# KiCad board lagom.kicad_pcb (continued)
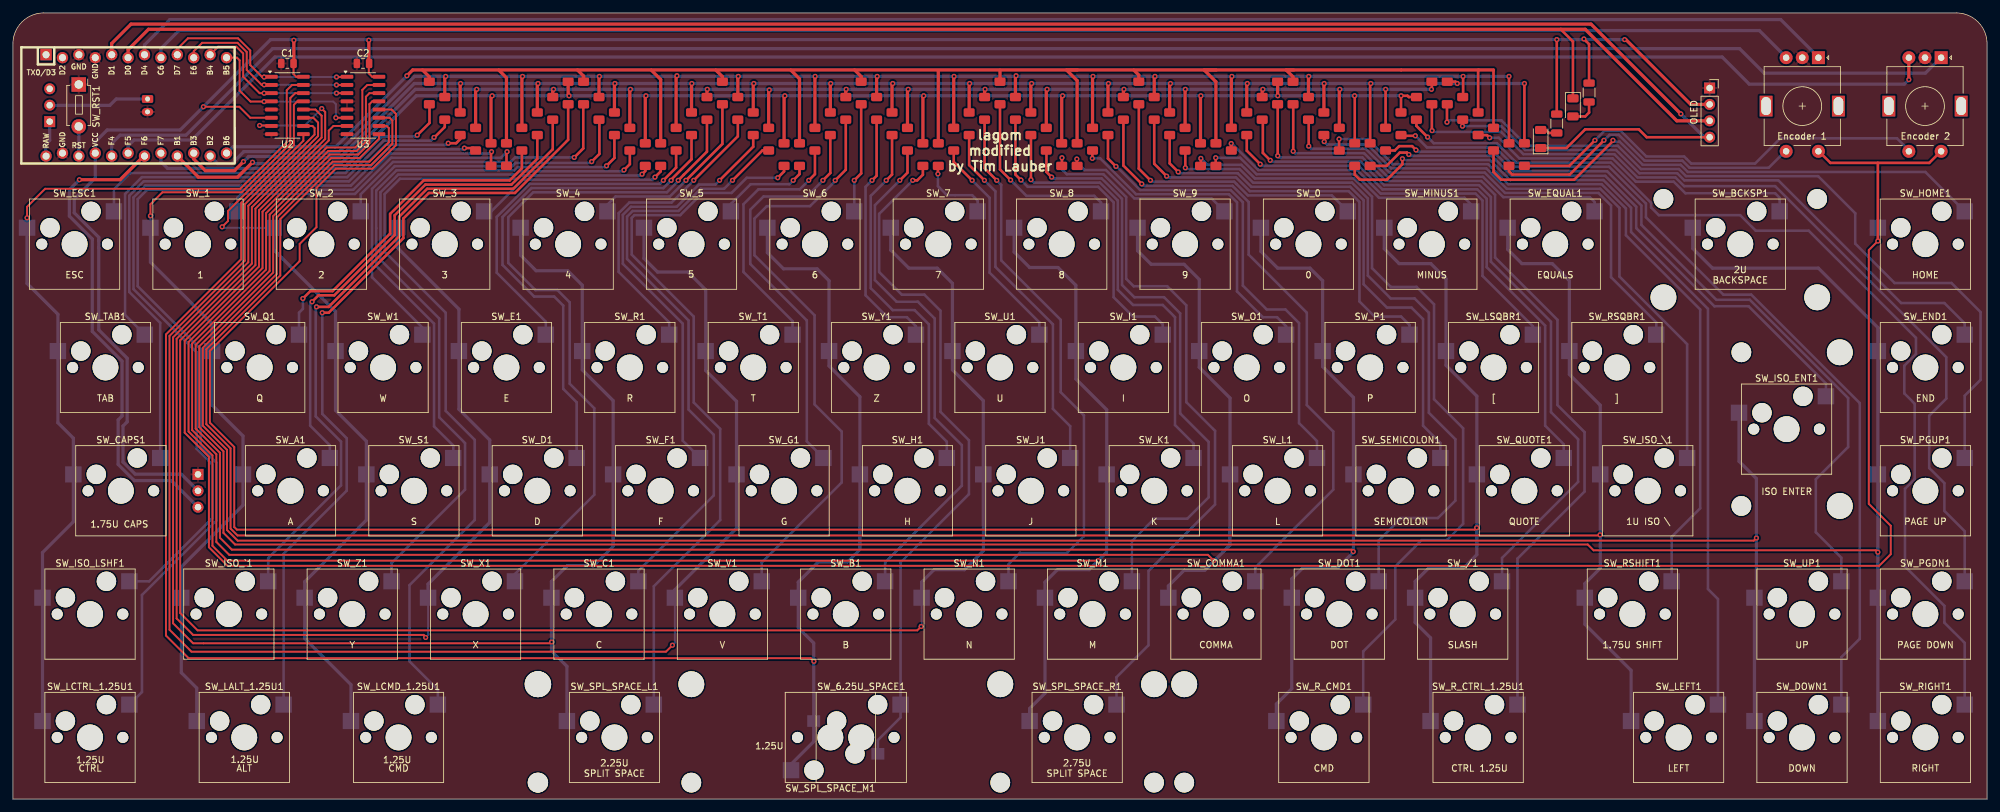
[diagram p0: board, top side]
## Routing (per net, layer and track width the routed paths; a pad name or vN(x,y) marks a point on that pad's centre or on a via; arc(x,y) is an arc through that point)
/Vbat: length 5.6
  Bottom w0.5: SW_PW1.1 5.69,102.03 5.09,101.43 5.09,99.63 U1.24
GND: length 0.3
  Bottom w0.381: 276.95,114.66 276.95,114.94
VCC: length 372.6
  Top w0.3: U2.16 43.85,111.88 43.44,112.28 C1.1 ; 55.09,114.06 55.09,112.41 55.62,111.88 U3.16 ; U2.6 40.01,105.53 36.74,105.53 35.04,107.23 v1(29.49,107.23)
  Top w0.4: R2.1 243.99,116.93 v1(243.19,117.73) ; R1.1 v1(238.99,117.63)
  Top w0.5: v1(249.49,117.63) 249.69,117.63 259.73,107.59 J1.2 ; v1(55.09,117.53) 55.09,113.93 ; v1(43.49,117.53) 43.49,113.93
  Bottom w0.5: v1(249.49,117.63) 39.89,117.63 25.89,103.63 14.59,103.63 12.75,101.79 U1.21 12.75,96.19 9.49,92.93 9.49,90.8 13.29,87 13.29,86.52 13.28,86.51 13.28,85.39 13.29,85.38 13.29,72.68 17.69,68.28 17.69,58.43 17.04,57.78 17.04,52.21 18.92,50.33 26.07,50.33 J2.2
/rst: length 4.6
  Bottom w0.5: U1.22 10.21,104.16 SW_RST1.2
col0: length 139.9
  Top w0.3: v1(2.19,90.03) 2.19,91.73 4.99,94.53 35.19,94.53 42.39,101.73 42.39,109.78 43.21,110.61 44.96,110.61
  Bottom w0.3: v1(2.19,90.03) SW_ESC1.2
  Bottom w0.5: SW_LCTRL_1.25U1.2 SW_ISO_LSHF1.2 4.58,38.18 9.35,42.95 SW_CAPS1.2 9.35,55.9 6.97,58.28 SW_TAB1.2 6.97,75.09 2.19,79.86 SW_ESC1.2
col1: length 126
  Top w0.3: 41.99,100.55 35.42,93.98 23.14,93.98 21.29,92.13 v1(21.29,90.33) ; U2.14 43.7,109.34 42.94,108.58 42.94,101.5 41.88,100.44
  Bottom w0.3: v1(21.29,90.33) SW_1.2
  Bottom w0.5: SW_LALT_1.25U1.2 28.45,17.2 26.07,19.59 26.07,35.97 35.62,45.52 SW_A1.2 35.62,56.23 30.84,61.01 SW_Q1.2 30.84,73.61 21.29,83.16 SW_1.2
col2: length 122.5
  Top w0.3: v1(32.39,88.63) 33.29,89.53 33.29,91.07 43.49,101.27 43.49,107.53 44.02,108.06 U2.13
  Bottom w0.3: v1(32.39,88.63) 32.53,88.49 SW_2.2
  Bottom w0.5: SW_2.2 40.39,85.06 49.94,75.51 SW_W1.2 49.94,60.21 54.71,55.44 SW_S1.2 54.71,43.22 45.16,33.67 SW_Z1.2 45.16,24.88 52.33,17.72 SW_LCMD_1.25U1.2
col3: length 203.7
  Top w0.3: v1(63.89,25.03) 63.89,25.13 63.59,25.43 27.89,25.43 25.34,27.98 25.34,71.28 36.99,82.93 36.99,91.66 47.79,102.46 47.79,105.83 46.82,106.8 U2.12
  Bottom w0.3: v1(63.89,25.03) 64.27,25.41 64.27,31.19
  Bottom w0.5: SW_3.2 59.49,85.43 69.04,75.88 SW_E1.2 69.04,60.38 73.81,55.61 SW_D1.2 73.81,42.86 64.27,33.31 64.27,31.19
col4: length 242
  Top w0.3: U2.11 46.49,105.53 47.24,104.78 47.24,102.69 36.44,91.89 36.44,83.16 24.79,71.51 24.79,27.23 27.89,24.13 83.19,24.13 v1(83.39,24.33)
  Bottom w0.5: SW_4.2 78.59,84.23 80.99,81.83 85.89,81.83 88.14,79.58 SW_R1.2 88.14,66.48 92.92,61.7 SW_F1.2 92.92,39.16 89.89,36.13 85.79,36.13 83.37,33.7 SW_C1.2 83.37,22.96 85.76,20.56 SW_SPL_SPACE_L1.2
col5: length 246
  Top w0.3: U2.10 46.37,104.25 46.69,103.93 46.69,102.92 35.89,92.12 35.89,83.39 24.24,71.74 24.24,26.23 27.64,22.83 101.09,22.83 v1(102.09,23.83)
  Bottom w0.3: SW_V1.2 102.47,24.21 v1(102.09,23.83)
  Bottom w0.5: SW_5.2 97.69,83.73 99.79,81.63 104.49,81.63 107.24,78.88 SW_T1.2 107.24,66.38 112.02,61.61 SW_G1.2 112.02,41.95 102.47,32.41 SW_V1.2
col6: length 290.5
  Top w0.3: v1(123.99,21.33) 123.49,21.83 27.19,21.83 23.69,25.33 23.69,71.96 35.34,83.61 35.34,92.35 44.96,101.97 U2.9
  Bottom w0.5: SW_SPL_SPACE_M1.1 120.45,5.39 123.96,8.9 SW_6.25U_SPACE1.2 123.96,24.16 121.56,26.56 SW_B1.2 121.56,33.61 124.69,36.73 129.19,36.73 131.12,38.66 SW_H1.2 131.12,62.31 126.34,67.08 SW_Y1.2 126.34,80.28 124.49,82.13 119.29,82.13 116.79,84.63 SW_6.2
col7: length 293.3
  Top w0.3: v1(140.59,26.73) 139.99,26.13 28.59,26.13 25.89,28.83 25.89,71.05 37.54,82.7 37.54,91.44 48.34,102.24 48.34,106.41 v1(47.81,106.95) ; U2.7 39.94,104.33 v1(38.19,104.33)
  Bottom w0.3: v1(38.19,104.33) 45.19,104.33 v1(47.81,106.95) ; 140.67,31.19 140.67,26.81 v1(140.59,26.73)
  Bottom w0.5: SW_7.2 135.89,85.03 138.69,82.23 143.09,82.23 145.44,79.88 SW_U1.2 145.44,66.48 150.22,61.7 SW_J1.2 150.22,38.45 147.29,35.53 142.59,35.53 140.67,33.61 140.67,31.19
col8: length 319.5
  Top w0.3: v1(167.99,36.93) 33.19,36.93 30.89,39.23 30.89,53.23 27.19,56.93 27.19,70.8 38.64,82.25 38.64,90.98 48.59,100.93 52.99,100.93 54.09,102.03 54.09,109.83 54.87,110.61 56.66,110.61
  Bottom w0.5: SW_8.2 154.99,84.73 157.39,82.33 161.79,82.33 164.54,79.58 SW_I1.2 164.54,65.08 169.31,60.31 SW_K1.2 169.31,38.25 166.59,35.53 161.69,35.53 159.77,33.61 SW_M1.2 159.77,16.41 157.38,14.02 SW_SPL_SPACE_R1.2
col9: length 314.1
  Top w0.3: v1(185.89,36.93) 184.99,37.83 33.49,37.83 31.49,39.83 31.49,53.41 27.74,57.16 27.74,70.57 39.19,82.02 39.19,90.75 48.82,100.38 53.22,100.38 54.64,101.8 54.64,108.78 55.2,109.34 U3.14
  Bottom w0.5: SW_COMMA1.2 178.87,33 181.29,35.43 184.49,35.43 188.39,39.33 188.39,50.27 SW_L1.2 188.42,62.11 183.64,66.88 SW_O1.2 183.64,80.48 181.29,82.83 176.19,82.83 174.09,84.93 SW_9.2
col10: length 353.8
  Top w0.3: v1(207.49,38.33) 207.19,38.63 33.89,38.63 32.04,40.48 32.04,53.64 28.29,57.39 28.29,70.34 39.74,81.79 39.74,90.52 49.05,99.83 53.45,99.83 55.19,101.57 55.19,107.63 55.63,108.06 U3.13
  Bottom w0.5: SW_0.2 193.19,84.83 195.79,82.23 200.79,82.23 202.74,80.28 SW_P1.2 202.74,66.98 207.51,62.2 207.51,38.25 205.09,35.83 199.69,35.83 197.97,34.11 SW_DOT1.2 197.97,17.1 195.58,14.72 SW_R_CMD1.2
col11: length 369.6
  Top w0.3: v1(226.59,42.03) 226.29,41.73 34.67,41.73 34.26,42.14 34.26,54.52 30.49,58.3 30.49,69.43 44.39,83.33 44.39,85.98 46.99,88.58 46.99,94.65 49.97,97.63 55.65,97.63 59.29,101.27 59.29,106.13 58.63,106.8 U3.12
  Bottom w0.5: SW_R_CTRL_1.25U1.2 219.45,24.97 217.06,27.35 SW_/1.2 217.06,33.7 219.09,35.73 224.49,35.73 226.62,37.86 SW_QUOTE1.2 226.62,62.41 221.84,67.18 SW_LSQBR1.2 221.84,80.58 219.49,82.93 214.59,82.93 212.29,85.23 SW_MINUS1.2
col12: length 383.8
  Top w0.3: v1(245.69,40.93) 245.59,40.83 34.77,40.83 33.69,41.91 33.69,54.32 29.94,58.07 29.94,69.66 41.39,81.11 41.39,89.83 49.74,98.18 55.42,98.18 58.74,101.5 58.74,105.08 58.3,105.53 U3.11
  Bottom w0.5: SW_LEFT1.2 250.49,19.93 243.33,27.09 SW_RSHIFT1.2 243.33,33.37 245.72,35.75 SW_ISO_\1.2 245.72,61 240.94,65.78 SW_RSQBR1.2 240.94,80.28 238.29,82.93 233.59,82.93 231.39,85.13 SW_EQUAL1.2
col13: length 367.3
  Top w0.3: v1(269.89,40.43) 269.49,40.03 34.79,40.03 33.14,41.68 33.14,54.09 29.39,57.84 29.39,69.89 40.84,81.34 40.84,90.07 49.5,98.73 55.19,98.73 58.19,101.73 58.19,103.93 57.87,104.25 U3.10
  Bottom w0.5: SW_ISO_ENT1.2 267.2,52.32 269.89,49.63 269.89,31.49 SW_UP1.2 SW_DOWN1.2
col14: length 432.6
  Top w0.3: U3.9 56.66,102.27 53.67,99.28 49.27,99.28 40.29,90.3 40.29,81.56 28.84,70.11 28.84,57.61 32.59,53.86 32.59,41.23 34.39,39.43 243.79,39.43 244.69,38.53 288.39,38.53 v1(288.69,38.23)
  Bottom w0.5: SW_RIGHT1.2 SW_PGDN1.2 SW_PGUP1.2 SW_END1.2 288.69,73.03 279.49,82.23 263.09,82.23 260.04,85.28 SW_BCKSP1.2
encA: length 264.6
  Bottom w0.5: 279.45,114.94 273.66,120.73 24.29,120.73 20.37,116.81 U1.7
encB: length 255.8
  Bottom w0.5: 274.45,114.94 270.36,119.03 25.69,119.03 22.91,116.25 U1.8
encC: length 293.9
  Bottom w0.5: 298.55,114.94 296.04,112.43 271.09,112.43 267.29,116.23 40.19,116.23 26.79,102.83 16.59,102.83 15.29,101.53 U1.20
encD: length 288
  Top w0.5: 293.55,114.94 293.49,114.88 v1(293.49,111.43)
  Bottom w0.5: v1(293.49,111.43) 292.79,110.73 268.79,110.73 264.59,114.93 40.55,114.93 27.7,102.08 18.74,102.08 17.83,101.17 U1.19
LED: length 75.1
  Top w0.5: U1.18 20.25,99.59 16.59,95.93 v1(10.29,95.93)
  Bottom w0.5: v1(10.29,95.93) 8.74,94.38 8.74,90.3 12.29,86.75 12.29,72.43 16.89,67.83 16.89,59.33 16.29,58.73 16.29,51.83 18.79,49.33 24.53,49.33 J2.3
mux0: length 32.8
  Top w0.3: U2.1 40.02,111.89 ; U1.9 25.45,116.19 27.09,117.83 34.85,117.83 36.74,115.94 36.74,113.68 38.59,111.83 39.99,111.83 ; 51.71,111.88 51.67,111.83 v1(50.09,111.83)
  Bottom w0.3: v1(38.89,111.83) v1(50.09,111.83)
mux1: length 30.7
  Top w0.3: U1.10 27.99,115.83 29.29,117.13 34.77,117.13 36.19,115.71 36.19,112.93 38.52,110.61 40.02,110.61 ; v1(50.09,110.61) 51.71,110.61
  Bottom w0.3: v1(38.89,110.63) 50.07,110.63 v1(50.09,110.61)
mux2: length 27.9
  Top w0.3: v1(50.09,109.34) 51.71,109.34 ; U1.11 31.77,116.53 34.59,116.53 35.64,115.48 35.64,111.88 38.18,109.34 U2.3
  Bottom w0.3: v1(38.89,109.33) 50.09,109.33 v1(50.09,109.34)
mux3: length 27.6
  Top w0.3: v1(49.99,105.53) 51.71,105.53 ; U1.12 34.69,114.83 35.09,114.43 35.09,109.73 36.79,108.03 39.98,108.03 U2.4
  Bottom w0.3: v1(49.99,105.53) 49.99,107.63 49.59,108.03 v1(38.89,108.03)
RotA: length 49.7
  Top w0.4: v1(246.29,102.03) 240.99,96.73 232.09,96.73 231.59,97.23 D32.1
  Bottom w0.4: v1(246.29,102.03) 247.14,102.88 248.57,102.88 252.57,98.88 258.44,98.88 259.54,97.78 271.79,97.78 274.45,100.44
RotB: length 426.4
  Top w0.254: 279.45,100.44 279.45,100.39 ; 298.59,100.4 arc(298.58,100.43) 298.55,100.44
  Top w0.3: v1(288.69,86.43) 287.29,85.03 287.29,45.73 290.69,42.33 290.69,37.93 288.89,36.13 33.21,36.13 30.34,39 30.34,53 26.59,56.75 26.59,70.97 38.09,82.47 38.09,83.83 ; 38.09,83.63 38.09,91.21 48.89,102.01 48.89,103.53 49.62,104.25 51.71,104.25
  Top w0.4: v1(288.69,86.43) 288.69,98.53 ; 288.69,98.53 296.64,98.53 298.55,100.44 ; 288.69,98.53 281.36,98.53 279.45,100.44
  Bottom w0.3: v1(288.69,86.43) SW_HOME1.2
RotC: length 66.3
  Top w0.4: v1(244.89,102.03) 240.93,98.07 D48.1
  Bottom w0.4: v1(244.89,102.03) 246.39,103.53 248.84,103.53 252.84,99.53 258.71,99.53 259.81,98.43 269.69,98.43 273.59,102.33 291.66,102.33 293.55,100.44
row0: length 308.1
  Top w0.4: D16.2 229.2,112.92 229.19,112.93 ; 226.89,112.93 226.81,112.85 D15.2
  Top w0.5: D10.2 164.74,111.28 163.09,112.93 164.79,112.93 ; 87.39,112.93 88.34,111.98 D3.2 ; 173.49,112.93 174.29,112.13 D11.2 ; v1(60.99,112.03) 61.89,112.93 229.19,112.93 ; D8.2 143.25,112.77 ; D12.2 186.23,111.09 184.39,112.93 186.29,112.93 ; 98.79,112.93 100.28,111.44 D4.2 ; D6.2 121.76,111.56 120.39,112.93 ; 108.79,112.93 109.83,111.9 D5.2 ; D1.2 64.46,111.86 63.39,112.93 ; 130.29,112.93 131.31,111.91 D7.2 ; 198.29,112.93 197.09,112.93 198.16,111.86 D13.2 ; 75.19,112.93 76.4,111.72 D2.2 ; D9.2 152.8,112.92
  Bottom w0.5: U1.13 34.05,101.03 49.99,101.03 v1(60.99,112.03)
row1: length 292.3
  Top w0.4: D32.2 231.59,111.93 v1(231.59,111.93) ; v1(224.49,111.93) 224.49,108.8 D31.2
  Top w0.5: 124.25,111.87 v1(124.19,111.93) 124.15,111.89 D22.2 ; 176.78,111.91 v1(176.79,111.93) 176.68,111.81 D27.2 ; 133.8,111.92 v1(133.79,111.93) 133.7,111.84 D23.2 ; 102.76,112 v1(102.79,112.03) 102.66,111.9 D20.2 ; 188.71,111.91 v1(188.69,111.93) 188.61,111.85 D28.2 ; D25.2 155.19,111.93 v1(155.29,112.03) 155.29,112.03 ; D21.2 112.21,111.85 v1(112.29,111.93) 112.31,111.91 ; 145.74,111.88 v1(145.69,111.93) 145.64,111.88 D24.2 ; D18.2 78.79,111.83 v1(78.89,111.93) 78.89,111.93 ; D19.2 90.73,111.87 v1(90.79,111.93) 90.83,111.9 ; D17.2 66.85,111.79 v1(66.99,111.93) 66.95,111.89 ; 200.65,111.87 v1(200.59,111.93) 200.55,111.89 D29.2 ; D26.2 167.12,111.87 v1(167.19,111.93) 167.23,111.9
  Bottom w0.5: v1(231.59,111.93) 62.17,111.93 50.31,100.08 41.4,100.08 41.19,100.28 35.74,100.28 33.89,98.43 31.69,98.43 U1.14
row2: length 293
  Top w0.4: v1(233.99,110.83) 233.98,110.81 D48.2 ; D46.2 210.1,110.74 v1(210.19,110.83) ; v1(223.59,110.83) 223.3,111.12 D47.2
  Top w0.5: 114.7,110.82 v1(114.69,110.83) 114.6,110.74 D39.2 ; 126.64,110.78 v1(126.59,110.83) 126.54,110.78 D40.2 ; D43.2 157.58,110.72 v1(157.69,110.83) 157.68,110.81 ; D36.2 81.18,110.72 v1(81.29,110.83) 81.28,110.81 ; D45.2 202.94,110.78 v1(202.99,110.83) 203.04,110.78 ; U1.15 27.99,99.13 29.79,97.33 34.29,97.33 v1(35.69,98.73) ; 179.16,110.8 v1(179.19,110.83) 179.06,110.7 D34.2 ; D35.2 69.24,110.78 v1(69.29,110.83) 69.34,110.78 ; 169.61,110.81 v1(169.59,110.83) 169.51,110.75 D44.2 ; 105.15,110.77 v1(105.09,110.83) 105.05,110.79 D38.2 ; 136.19,110.83 v1(136.19,110.83) 136.09,110.73 D41.2 ; 191.1,110.82 v1(191.09,110.83) 191,110.74 D33.2 ; 93.21,110.81 v1(93.19,110.83) 93.11,110.75 D37.2 ; D42.2 148.03,110.77 v1(148.09,110.83) 148.12,110.8
  Bottom w0.5: v1(233.99,110.83) 62.13,110.83 50.62,99.33 41.09,99.33 40.88,99.53 36.49,99.53 v1(35.69,98.73)
row3: length 258.4
  Top w0.4: D63.2 219.65,109.99 v1(219.59,109.93) ; v1(212.49,109.93) 212.49,109.93 D51.2
  Top w0.5: 95.6,109.92 v1(95.59,109.93) 95.5,109.84 D54.2 ; D57.2 128.93,109.87 v1(128.99,109.93) 129.03,109.9 ; D49.2 193.39,109.83 v1(193.49,109.93) 193.49,109.93 ; U1.16 28.71,96.33 34.79,96.33 v1(37.09,98.63) ; 71.72,109.87 v1(71.79,109.93) 71.62,109.77 D52.2 ; D50.2 205.32,109.87 v1(205.39,109.93) 205.43,109.9 ; 181.55,109.87 v1(181.49,109.93) 181.45,109.89 D62.2 ; 150.51,109.91 v1(150.49,109.93) 150.41,109.85 D59.2 ; 117.09,109.83 v1(117.09,109.83) 116.99,109.73 D56.2 ; 107.54,109.88 v1(107.49,109.93) 107.44,109.88 D55.2 ; 138.58,109.91 v1(138.59,109.93) 138.48,109.81 D58.2 ; D60.2 159.96,109.8 v1(160.09,109.93) 160.06,109.9 ; 172,109.92 v1(171.99,109.93) 171.9,109.84 D61.2 ; D53.2 83.56,109.8 v1(83.69,109.93) 83.66,109.9
  Bottom w0.5: v1(219.59,109.93) 62.29,109.93 50.79,98.43 37.3,98.43 v1(37.09,98.63)
row4: length 260.2
  Top w0.4: v1(207.69,108.93) 207.71,108.91 D72.2 ; D74.2 216.09,108.73 215.89,108.93 v1(214.89,108.93) 214.88,108.91 D73.2
  Top w0.5: D64.2 74.01,108.75 v1(74.19,108.93) 74.11,108.85 ; 195.88,108.84 v1(195.79,108.93) 195.78,108.94 D71.2 ; D69.2 162.35,108.79 v1(162.49,108.93) 162.45,108.89 ; D65.2 85.95,109.07 v1(86.09,108.93) 86.05,108.89 ; D70.2 183.84,108.88 v1(183.89,108.93) 183.94,108.88 ; D68.2 140.86,108.8 v1(140.99,108.93) 140.96,108.9 ; D67.2 119.38,108.81 v1(119.49,108.93) 119.48,108.91 ; D66.2 97.89,108.83 v1(97.99,108.93) 97.99,108.93
  Bottom w0.5: U1.17 22.91,98.71 23.95,97.68 51.19,97.68 62.44,108.93 v1(214.89,108.93)
SCL: length 264.7
  Top w0.4: 239.59,119.23 241.49,117.33 D75.1
  Top w0.5: U1.6 17.83,116.07 20.99,119.23 243.39,119.23 257.57,105.05 J1.3
SDA: length 285.5
  Top w0.4: D76.1 240.49,100.83 243.39,103.73 251.69,103.73 252.91,102.51 J1.4
  Top w0.5: v1(258.19,106.13) 244.29,120.03 18.29,120.03 15.29,117.03 U1.5
  Bottom w0.5: v1(258.19,106.13) 261.81,102.51 J1.4
Net-(BT1-+): length 15.6
  Bottom w0.5: SW_PW1.2 5.72,107.44 15.01,107.44 15.99,108.43 BT1.1
Net-(D1-K): length 59.4
  Top w0.4: D1.1 64.49,107.59 64.49,104.73 v1(62.59,102.83)
  Bottom w0.4: SW_ESC1.1 15.64,94.44 18.18,96.97 51.48,96.97 57.13,102.63 62.39,102.63 v1(62.59,102.83)
Net-(D2-K): length 49
  Top w0.4: D2.1 76.4,100.18 v1(76.49,100.27)
  Bottom w0.4: SW_1.1 34.74,93.14 35.32,93.72 52.94,93.72 58.55,99.33 75.55,99.33 v1(76.49,100.27)
Net-(D3-K): length 46.9
  Top w0.4: v1(86.89,99.38) 88.29,100.78 88.29,107.57 D3.1
  Bottom w0.4: SW_2.1 53.84,93.68 58.84,98.68 77.04,98.68 77.74,99.38 v1(86.89,99.38)
Net-(D4-K): length 30.7
  Top w0.4: D4.1 100.28,97.22 v1(99.39,96.33)
  Bottom w0.4: v1(99.39,96.33) 98.99,95.93 78.95,95.93 74.05,91.03 SW_3.1
Net-(D5-K): length 28.9
  Top w0.4: D5.1 109.83,101.47 v1(104.19,95.83)
  Bottom w0.4: v1(104.19,95.83) 104.19,95.83 101.69,93.33 93.29,93.33 92.04,92.08 SW_4.1
Net-(D6-K): length 15
  Top w0.4: v1(120.79,95.83) 121.76,96.8 D6.1
  Bottom w0.4: SW_5.1 111.14,92.18 114.19,95.23 120.19,95.23 v1(120.79,95.83)
Net-(D7-K): length 17
  Top w0.4: v1(130.24,95.83) 131.31,96.9 D7.1
  Bottom w0.4: v1(130.24,95.83) SW_6.1
Net-(D8-K): length 11.9
  Top w0.4: D8.1 143.19,98.01 v1(143.19,96.83)
  Bottom w0.4: v1(143.19,96.83) 143.19,94.93 144.59,93.53 148.49,93.53 149.34,92.68 SW_7.1
Net-(D9-K): length 29.2
  Top w0.4: D9.1 152.8,97.52 v1(154.44,95.88)
  Bottom w0.4: SW_8.1 168.44,92.38 167.39,93.43 156.89,93.43 v1(154.44,95.88)
Net-(D10-K): length 27.6
  Top w0.4: v1(164.69,99.13) 164.69,98.12 D10.1
  Bottom w0.4: SW_9.1 185.54,93.03 173.59,93.03 169.19,97.43 165.89,97.43 164.69,98.63 v1(164.69,99.13)
Net-(D11-K): length 45.1
  Top w0.4: D11.1 174.29,97.63 v1(176.09,95.83)
  Bottom w0.4: v1(176.09,95.83) 176.29,95.63 189.05,95.63 191.18,93.5 204.17,93.5 SW_0.1
Net-(D12-K): length 44.9
  Top w0.4: v1(186.19,99.33) 186.19,98.1 D12.1
  Bottom w0.4: v1(186.19,99.33) 189.97,99.33 192.52,96.78 207.82,96.78 211.47,93.13 224.69,93.13 225.74,92.08 SW_MINUS1.1
Net-(D13-K): length 58.7
  Top w0.4: D13.1 198.19,107.59 v1(198.19,100.33)
  Bottom w0.4: v1(198.19,100.33) 198.49,100.03 209.16,100.03 212.81,96.38 227.56,96.38 230.71,93.23 244.09,93.23 244.84,92.48 SW_EQUAL1.1
Net-(D15-K): length 52.9
  Top w0.4: v1(228.59,102.43) 228.19,102.83 226.82,102.83 D15.1 226.89,102.92
  Bottom w0.4: SW_BCKSP1.1 273.49,93.13 272.79,93.83 258.89,93.83 257.09,95.63 251.23,95.63 247.63,99.23 233.21,99.23 230.01,102.43 v1(228.59,102.43)
Net-(D16-K): length 83.9
  Top w0.4: D16.1 229.2,97.12 230.39,95.93 241.69,95.93 247.69,101.93 v1(247.69,102.03)
  Bottom w0.4: SW_HOME1.1 296.04,97.13 259.27,97.13 258.17,98.23 252.31,98.23 248.71,101.83 247.89,101.83 v1(247.69,102.03)
Net-(D17-K): length 78
  Top w0.4: D17.1 66.85,104.09 65.24,102.48 v1(65.19,102.48)
  Bottom w0.4: v1(65.19,102.48) 64.69,101.98 57.4,101.98 51.74,96.33 19.97,96.33 17.37,93.72 17.37,74.98 SW_TAB1.1
Net-(D18-K): length 52.6
  Top w0.4: D18.1 78.79,97.71 76.91,95.83 63.59,95.83 58.39,90.63 58.39,87.59 49.48,78.68 46.04,78.68 v1(44.89,77.53)
  Bottom w0.4: v1(44.89,77.53) 44.89,75.93 44.29,75.33 SW_Q1.1
Net-(D19-K): length 68.6
  Top w0.4: v1(89.59,98.73) 90.79,99.93 90.79,105.16 D19.1
  Bottom w0.4: v1(89.59,98.73) 89.39,98.53 77.81,98.53 77.31,98.03 59.11,98.03 55.59,94.51 55.59,80.83 63.39,73.03 SW_W1.1
Net-(D20-K): length 55
  Top w0.4: v1(100.69,95.83) 102.66,97.81 D20.1
  Bottom w0.4: v1(100.69,95.83) 100.14,95.28 80,95.28 74.89,90.17 74.89,81.53 82.49,73.93 SW_E1.1
Net-(D21-K): length 48
  Top w0.4: D21.1 112.21,102.65 v1(105.39,95.83)
  Bottom w0.4: v1(105.39,95.83) 101.95,92.39 95.41,92.39 93.77,90.75 93.77,81.66 101.59,73.83 SW_R1.1
Net-(D22-K): length 40
  Top w0.4: D22.1 124.15,96.79 v1(123.19,95.83)
  Bottom w0.4: SW_T1.1 120.69,74.03 113.09,81.63 113.09,92.13 115.39,94.43 121.79,94.43 v1(123.19,95.83)
Net-(D23-K): length 39
  Top w0.4: v1(132.99,95.83) 133.7,96.54 D23.1
  Bottom w0.4: SW_Y1.1 139.79,73.23 138.39,74.63 135.39,74.63 131.99,78.03 131.99,94.83 v1(132.99,95.83)
Net-(D24-K): length 34
  Top w0.4: v1(148.49,95.83) 145.64,98.68 D24.1
  Bottom w0.4: SW_U1.1 158.89,73.83 151.19,81.53 151.19,93.13 v1(148.49,95.83)
Net-(D25-K): length 51.1
  Top w0.4: v1(156.04,95.88) 155.19,96.73 155.19,105.23 D25.1
  Bottom w0.4: v1(156.04,95.88) 157.09,94.83 167.99,94.83 170.39,92.43 170.39,77.73 173.39,74.73 176.79,74.73 177.99,73.53 SW_I1.1
Net-(D26-K): length 51.4
  Top w0.4: v1(167.09,99.23) 167.09,100.42 D26.1
  Bottom w0.4: v1(167.09,99.23) 168.31,99.23 173.86,93.68 188.24,93.68 189.49,92.43 189.49,78.63 193.49,74.63 195.69,74.63 197.09,73.23 SW_O1.1
Net-(D27-K): length 67.2
  Top w0.4: D27.1 176.68,98.4 v1(178.59,96.48)
  Bottom w0.4: v1(178.59,96.48) 178.79,96.28 189.34,96.28 191.47,94.15 206.77,94.15 208.44,92.48 208.44,77.08 210.79,74.73 214.89,74.73 216.19,73.43 SW_P1.1
Net-(D28-K): length 67.6
  Top w0.4: D28.1 188.59,100.48 v1(188.59,101.53)
  Bottom w0.4: SW_LSQBR1.1 235.29,73.23 227.49,81.03 227.49,92.7 226.42,93.78 211.74,93.78 208.09,97.43 192.79,97.43 188.69,101.53 v1(188.59,101.53)
Net-(D29-K): length 77.6
  Top w0.4: D29.1 200.59,105.19 v1(200.59,101.13)
  Bottom w0.4: v1(200.59,101.13) 200.99,100.73 209.39,100.73 213.09,97.03 227.83,97.03 230.98,93.88 245.44,93.88 247.39,91.93 247.39,80.83 254.39,73.83 SW_RSQBR1.1
Net-(D31-K): length 93.2
  Top w0.4: v1(224.39,104.23) 224.43,104.27 D31.1 224.39,105.19
  Bottom w0.4: SW_END1.1 302.14,73.68 298.99,76.83 292.29,76.83 273.29,95.83 258.73,95.83 257.63,96.93 251.77,96.93 248.17,100.53 234.09,100.53 230.99,103.63 230.39,104.23 v1(224.39,104.23)
Net-(D33-K): length 87.7
  Top w0.4: v1(193.09,98.33) 191,100.42 D33.1
  Bottom w0.4: SW_QUOTE1.1 240.06,54.95 237.19,57.83 237.19,73.33 228.14,82.38 228.14,92.98 226.69,94.43 212.01,94.43 208.36,98.08 193.34,98.08 v1(193.09,98.33)
Net-(D34-K): length 83.8
  Top w0.4: D34.1 179.06,98.46 v1(180.39,97.13)
  Bottom w0.4: v1(180.39,97.13) 180.59,96.93 189.61,96.93 191.71,94.83 207.01,94.83 209.09,92.75 209.09,79.73 212.69,76.13 216.49,76.13 218.29,74.33 218.29,57.83 220.97,55.16 SW_SEMICOLON1.1
Net-(D35-K): length 98.1
  Top w0.4: D35.1 69.24,102.21 68.61,101.58 v1(67.39,101.58)
  Bottom w0.4: v1(67.39,101.58) 67.14,101.33 57.67,101.33 52.01,95.68 20.24,95.68 18.02,93.45 18.02,78.53 22.8,73.75 SW_CAPS1.1
Net-(D36-K): length 75.1
  Top w0.4: D36.1 81.18,99.17 77.18,95.18 63.85,95.18 59.09,90.41 59.09,87.37 49.75,78.03 47.31,78.03 v1(46.31,77.03)
  Bottom w0.4: SW_A1.1 49.07,54.78 46.02,57.84 46.02,76.74 v1(46.31,77.03)
Net-(D37-K): length 88.9
  Top w0.4: D37.1 93.11,99.3 v1(91.89,98.08)
  Bottom w0.4: SW_S1.1 68.16,54.75 65.19,57.73 65.19,73.63 56.24,82.58 56.24,94.24 59.38,97.38 77.64,97.38 78.14,97.88 91.69,97.88 v1(91.89,98.08)
Net-(D38-K): length 80.7
  Top w0.4: D38.1 105.05,99.09 101.89,95.93 v1(101.89,95.83)
  Bottom w0.4: SW_D1.1 87.27,61.45 85.19,63.53 85.19,76.43 83.79,77.83 80.69,77.83 75.79,82.73 75.79,90.15 80.27,94.63 100.69,94.63 v1(101.89,95.83)
Net-(D39-K): length 69
  Top w0.4: v1(109.39,95.83) 114.6,101.04 D39.1
  Bottom w0.4: v1(109.39,95.83) 108.74,95.18 106.2,95.18 102.76,91.74 95.68,91.74 94.42,90.48 94.42,82.91 103.69,73.63 103.69,55.5 SW_F1.1
Net-(D40-K): length 63.8
  Top w0.4: v1(125.39,95.83) 126.54,96.98 D40.1
  Bottom w0.4: v1(125.39,95.83) 122.89,93.33 116.19,93.33 114.14,91.28 114.14,82.88 122.89,74.13 122.89,55.41 SW_G1.1
Net-(D41-K): length 58.2
  Top w0.4: v1(135.19,95.83) 136.09,96.73 D41.1
  Bottom w0.4: v1(135.19,95.83) 132.79,93.43 132.79,79.13 136.19,75.73 139.59,75.73 141.79,73.53 141.79,58.13 144.56,55.36 SW_H1.1
Net-(D42-K): length 56.5
  Top w0.4: D42.1 148.03,98.19 v1(150.39,95.83)
  Bottom w0.4: v1(150.39,95.83) 152.09,94.13 152.09,82.43 160.99,73.53 160.99,60.43 163.67,57.75 SW_J1.1
Net-(D43-K): length 69.1
  Top w0.4: v1(157.59,95.93) 157.59,102.83 D43.1
  Bottom w0.4: SW_K1.1 182.77,55.06 179.89,57.93 179.89,74.63 177.99,76.53 173.39,76.53 171.04,78.88 171.04,92.7 168.26,95.48 158.04,95.48 v1(157.59,95.93)
Net-(D44-K): length 73.4
  Top w0.4: D44.1 169.51,99.21 170.73,97.99 v1(170.75,97.99)
  Bottom w0.4: SW_L1.1 201.87,55.45 199.09,58.23 199.09,73.73 196.99,75.83 194.09,75.83 190.39,79.53 190.39,92.45 188.51,94.33 174.49,94.33 170.83,97.99 v1(170.75,97.99)
Net-(D45-K): length 94.1
  Top w0.4: v1(202.99,101.83) 202.99,102.79 D45.1
  Bottom w0.4: SW_ISO_\1.1 259.17,70.45 248.69,80.93 248.69,91.55 245.71,94.53 231.25,94.53 228.1,97.68 213.36,97.68 209.66,101.38 203.44,101.38 v1(202.99,101.83)
Net-(D46-K): length 90.1
  Top w0.4: v1(216.09,99.83) 215.79,100.13 214.69,100.13 212.63,98.07 D46.1
  Bottom w0.4: v1(216.09,99.83) 216.29,99.63 228.91,99.63 232.01,96.53 246.49,96.53 251.29,91.73 251.29,88.43 263.39,76.33 268.69,76.33 280.65,64.37 SW_ISO_ENT1.1
Net-(D47-K): length 124.3
  Top w0.4: v1(221.99,104.83) 221.99,107.57 D47.1 222.09,107.56
  Bottom w0.4: SW_PGUP1.1 302.14,62.48 304.59,64.93 304.59,75.43 300.09,79.93 291.29,79.93 285.19,86.03 285.19,90.73 279.44,96.48 259,96.48 257.9,97.58 252.04,97.58 248.44,101.18 234.36,101.18 230.41,105.13 222.29,105.13 v1(221.99,104.83)
Net-(D49-K): length 113.3
  Top w0.4: D49.1 193.49,105.13 193.49,100.08 v1(194.64,98.93)
  Bottom w0.4: v1(194.64,98.93) 194.64,98.88 194.79,98.73 208.62,98.73 212.27,95.08 226.96,95.08 228.79,93.25 228.79,83.23 238.09,73.93 238.09,59.93 242.29,55.73 242.29,49.13 230.51,37.36 230.51,33.73
Net-(D50-K): length 115
  Top w0.4: v1(205.29,102.23) 205.29,100.49 D50.1
  Bottom w0.4: SW_RSHIFT1.1 256.78,40.62 261.19,45.03 261.19,75.83 249.69,87.33 249.69,91.47 245.93,95.23 231.47,95.23 228.37,98.33 213.63,98.33 209.73,102.23 v1(205.29,102.23)
Net-(D51-K): length 122
  Top w0.4: D51.1 213.92,100.45 214.59,101.13 216.59,101.13 v1(217.19,100.53) 217.26,100.6
  Bottom w0.4: SW_UP1.1 283.04,37.38 279.09,41.33 279.09,49.53 284.09,54.53 284.09,62.11 268.87,77.33 263.69,77.33 252.09,88.93 252.09,91.93 246.79,97.23 232.23,97.23 229.18,100.28 217.44,100.28 v1(217.19,100.53)
Net-(D52-K): length 127.9
  Top w0.4: v1(69.89,100.83) 71.25,100.83 D52.1
  Bottom w0.4: v1(69.89,100.83) 69.69,100.63 57.93,100.63 52.32,95.03 20.51,95.03 18.66,93.18 18.66,78.98 28.44,69.21 28.44,54.26 30.84,51.86 30.84,43.48 21.09,33.73 SW_ISO_LSHF1.1
Net-(D53-K): length 102
  Top w0.4: D53.1 83.56,100.64 77.44,94.53 64.12,94.53 59.79,90.19 59.79,87.15 48.87,76.23 v1(46.99,76.23)
  Bottom w0.254: 38.97,34.78 38.97,34.72
  Bottom w0.4: v1(46.99,76.23) 46.88,76.11 46.88,59.28 50.79,55.36 50.79,48.59 39.52,37.31 SW_ISO_`1.1
Net-(D54-K): length 112.9
  Top w0.4: v1(94.59,97.43) 95.5,98.34 D54.1
  Bottom w0.4: v1(94.59,97.43) 94.39,97.23 78.41,97.23 77.91,96.73 59.65,96.73 56.89,93.97 56.89,83.53 65.99,74.43 65.99,59.13 69.99,55.13 69.99,47.93 58.62,36.56 SW_Z1.1
Net-(D55-K): length 108.9
  Top w0.4: D55.1 107.44,100.28 103.84,96.68 103.84,96.68 102.99,95.83 v1(102.99,95.83)
  Bottom w0.4: SW_X1.1 77.72,34.86 89.99,47.13 89.99,60.53 86.19,64.33 86.19,76.93 84.29,78.83 80.89,78.83 76.69,83.03 76.69,90.13 80.54,93.98 101.24,93.98 102.99,95.73 v1(102.99,95.83)
Net-(D56-K): length 93
  Top w0.4: v1(111.39,95.83) 116.02,100.45 D56.1
  Bottom w0.4: 96.81,33.73 96.81,35.36 108.49,47.03 108.49,56.43 104.59,60.33 104.59,74.13 95.06,83.66 95.06,90.21 95.95,91.09 103.03,91.09 106.47,94.53 110.09,94.53 v1(111.39,95.83)
Net-(D57-K): length 92
  Top w0.4: v1(127.29,95.83) 128.93,97.47 D57.1
  Bottom w0.4: SW_V1.1 115.92,36.66 128.29,49.03 128.29,56.93 124.09,61.13 124.09,74.93 114.79,84.23 114.79,89.92 116.71,91.83 123.39,91.83 127.29,95.73 v1(127.29,95.83)
Net-(D58-K): length 81.2
  Top w0.4: D58.1 138.48,97.02 v1(137.29,95.83)
  Bottom w0.4: v1(137.29,95.83) 133.44,91.98 133.44,80.38 136.79,77.03 140.09,77.03 142.69,74.43 142.69,59.03 146.89,54.83 146.89,48.53 135.02,36.66 SW_B1.1
Net-(D59-K): length 87
  Top w0.4: D59.1 150.41,97.71 v1(152.29,95.83)
  Bottom w0.4: SW_N1.1 154.12,36.36 155.89,38.13 163.19,38.13 165.79,40.73 165.79,59.43 162.19,63.03 162.19,74.23 152.99,83.43 152.99,95.13 v1(152.29,95.83)
Net-(D60-K): length 92.2
  Top w0.4: D60.1 159.99,100.43 159.99,97.13 v1(160.79,96.33)
  Bottom w0.4: 173.22,33.73 173.22,39.95 176.69,43.43 181.79,43.43 185.09,46.73 185.09,55.33 180.69,59.73 180.69,75.23 178.19,77.73 173.59,77.73 171.69,79.63 171.69,92.97 168.53,96.13 160.99,96.13 v1(160.79,96.33)
Net-(D61-K): length 98
  Top w0.4: v1(174.74,95.28) 171.9,98.12 D61.1
  Bottom w0.4: v1(174.74,95.28) 175.04,94.98 188.78,94.98 191.29,92.47 191.29,84.33 200.29,75.33 200.29,61.03 204.39,56.93 204.39,47.93 192.31,35.86 192.31,33.73
Net-(D62-K): length 108.2
  Top w0.4: v1(181.49,97.78) 181.49,100.41 D62.1
  Bottom w0.4: v1(181.49,97.78) 181.69,97.58 189.88,97.58 191.98,95.48 207.28,95.48 209.74,93.02 209.74,81.08 213.29,77.53 216.99,77.53 219.19,75.33 219.19,59.83 223.29,55.73 223.29,46.23 220.59,43.53 214.89,43.53 211.42,40.06 SW_DOT1.1
Net-(D63-K): length 136.3
  Top w0.4: v1(219.69,103.53) 219.69,103.63 219.65,103.67 D63.1
  Bottom w0.4: v1(219.69,103.53) 219.89,103.33 230.37,103.33 233.82,99.88 247.9,99.88 251.5,96.28 257.36,96.28 258.71,94.93 272.79,94.93 299.29,68.43 299.29,62.03 296.64,59.38 296.64,51.28 298.99,48.93 298.99,44.63 302.14,41.48 SW_PGDN1.1
Net-(D64-K): length 149
  Top w0.4: v1(74.09,100.27) 74.01,100.19 D64.1
  Bottom w0.4: SW_LCTRL_1.25U1.1 19.98,16.58 19.98,31.61 31.49,43.13 31.49,52.13 29.09,54.53 29.09,69.66 19.32,79.44 19.32,92.92 20.77,94.38 52.68,94.38 58.28,99.98 73.8,99.98 v1(74.09,100.27)
Net-(D65-K): length 122.8
  Top w0.4: D65.1 85.95,102.11 77.71,93.88 64.39,93.88 60.44,89.92 60.44,86.88 48.89,75.33 v1(47.89,75.33)
  Bottom w0.4: SW_LALT_1.25U1.1 41.9,38 51.68,47.78 51.68,55.88 47.89,59.66 v1(47.89,75.33)
Net-(D66-K): length 133.5
  Top w0.4: v1(97.39,96.78) 97.89,97.28 D66.1
  Bottom w0.4: SW_LCMD_1.25U1.1 65.78,16.94 61.39,21.33 61.39,33.13 71.49,43.23 71.49,55.63 66.99,60.13 66.99,75.33 57.54,84.78 57.54,93.7 59.92,96.08 78.18,96.08 78.68,96.58 97.19,96.58 v1(97.39,96.78)
Net-(D67-K): length 112.7
  Top w0.4: v1(118.39,96.23) 119.38,97.22 D67.1
  Bottom w0.4: SW_SPL_SPACE_L1.1 99.21,32.95 109.49,43.23 109.49,57.33 105.39,61.43 105.39,74.73 95.79,84.33 95.79,90.02 96.22,90.44 103.3,90.44 106.74,93.88 111.24,93.88 113.59,96.23 v1(118.39,96.23)
Net-(D68-K): length 107.9
  Top w0.4: D68.1 140.86,96.7 139.99,95.83 v1(139.29,95.83)
  Bottom w0.4: SW_SPL_SPACE_M1.2 133.9,9.14 137.41,12.65 SW_6.25U_SPACE1.1 137.41,36.65 147.99,47.23 147.99,55.58 143.59,59.98 143.59,75.63 141.09,78.13 137.59,78.13 134.09,81.63 134.09,90.63 v1(139.29,95.83)
Net-(D69-K): length 108.5
  Top w0.4: v1(162.39,99.33) 162.39,98.11 D69.1
  Bottom w0.4: SW_SPL_SPACE_R1.1 170.83,18.87 175.79,23.83 175.79,35.33 186.09,45.63 186.09,57.03 181.64,61.48 181.64,76.48 178.69,79.43 173.49,79.43 172.34,80.58 172.34,93.24 168.8,96.78 163.14,96.78 162.39,97.53 v1(162.39,99.33)
Net-(D70-K): length 125.7
  Top w0.4: D70.1 183.89,98.12 v1(183.89,99.23)
  Bottom w0.4: v1(183.89,99.23) 184.89,98.23 190.15,98.23 192.25,96.13 207.55,96.13 210.39,93.29 210.39,82.23 213.29,79.33 217.29,79.33 219.99,76.63 219.99,61.93 224.49,57.43 224.49,42.63 221.99,40.13 218.09,40.13 213.99,36.03 213.99,27.83 209.03,22.87 SW_R_CMD1.1
Net-(D71-K): length 133.4
  Top w0.254: 196,107.21 195.78,107.21
  Top w0.4: v1(195.79,99.63) 195.79,107.6 D71.1
  Bottom w0.4: SW_R_CTRL_1.25U1.1 232.9,37.24 243.29,47.63 243.29,56.83 239.09,61.03 239.09,74.23 229.44,83.88 229.44,93.58 227.29,95.73 212.54,95.73 208.89,99.38 196.04,99.38 v1(195.79,99.63)
Net-(D72-K): length 132
  Top w0.4: D72.1 207.71,96.71 208.49,95.93 212.69,95.93 215.09,98.33 v1(215.09,99.18)
  Bottom w0.4: SW_LEFT1.1 263.94,30.98 262.39,32.53 262.39,75.93 250.49,87.83 250.49,91.59 246.2,95.88 231.74,95.88 228.64,98.98 215.29,98.98 v1(215.09,99.18)
Net-(D73-K): length 137.3
  Top w0.4: D73.1 214.99,102.73 v1(217.09,102.73)
  Bottom w0.4: v1(217.09,102.73) 218.89,100.93 229.45,100.93 232.45,97.93 247.09,97.93 252.79,92.23 252.79,90.11 264.77,78.13 269.09,78.13 285.89,61.33 285.89,24.83 283.04,21.98 SW_DOWN1.1
Net-(D74-K): length 155
  Top w0.4: v1(218.99,102.53) 217.26,104.26 D74.1
  Bottom w0.4: SW_RIGHT1.1 302.14,24.18 298.99,27.33 298.99,29.93 292.89,36.03 292.89,48.05 294.39,49.55 294.39,61.23 292.79,62.83 292.79,67.13 294.59,68.93 294.59,71.43 277.99,88.03 269.79,88.03 267.38,90.44 254.78,90.44 253.59,91.63 253.59,92.35 247.36,98.58 232.72,98.58 229.72,101.58 219.94,101.58 v1(218.99,102.53)
